# Altium PCB AJMG 2550XD Silver Jubilee.PcbDoc (part 2 of 2)
Units mm, origin at the board's own origin, x right, y up, seen from the top; angles counter-clockwise.
Board outline 350 x 150 mm, 2 copper layers (Top Layer, Bottom Layer), stack 1.97 mm thick; 150 components, 103 nets, 473 pads, 1195 vias.
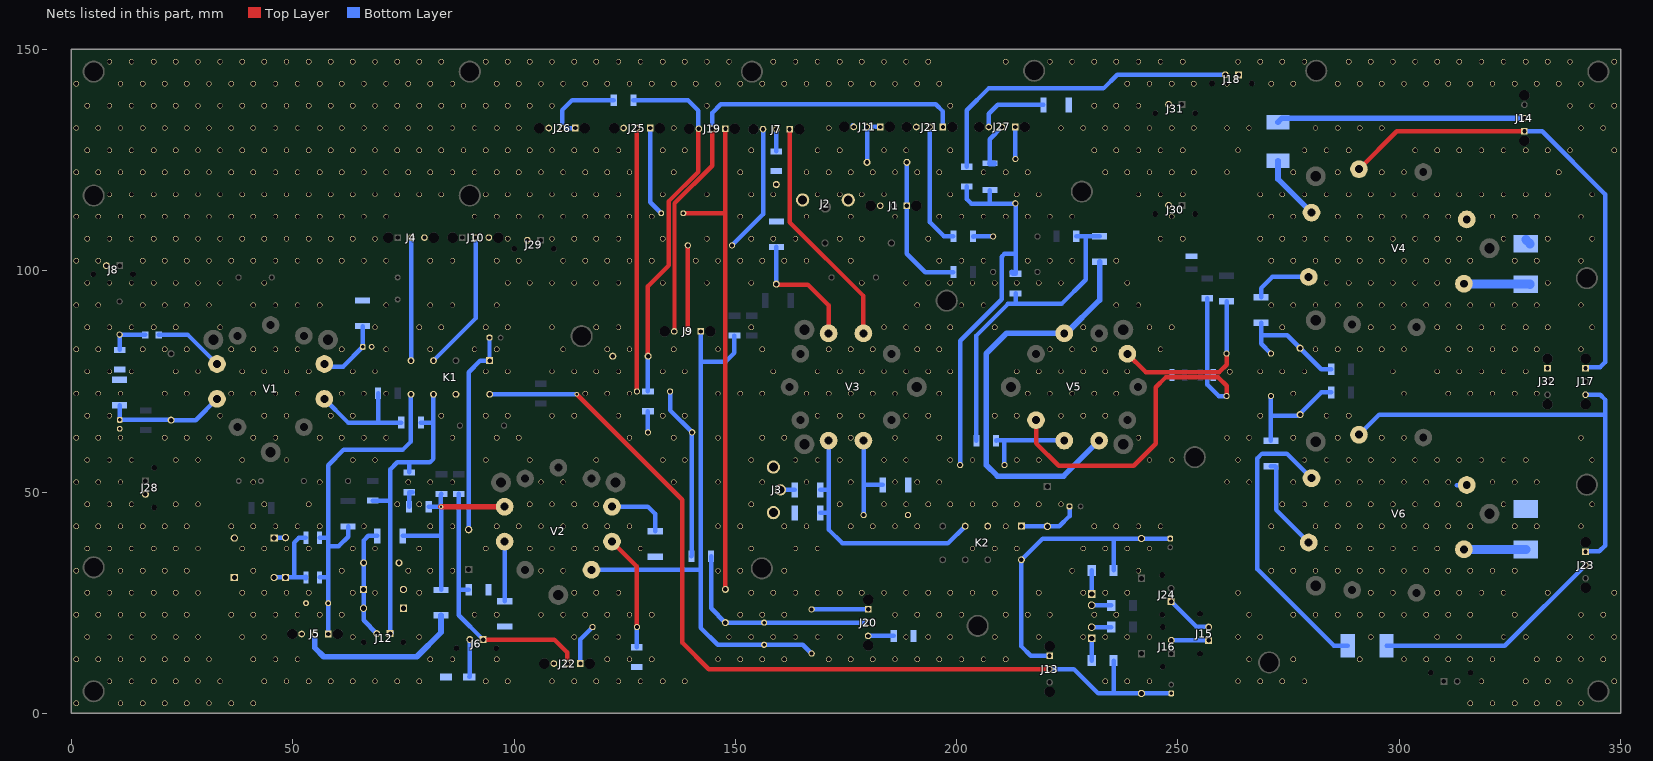
[diagram p2: the nets of this part, all layers, seen from the top]

## Via types
v1: diameter 1.2, hole 1, Top Layer to Bottom Layer, 1193 vias
v2: diameter 1.016, hole 0.508, Top Layer to Bottom Layer, 1 vias
v3: diameter 1, hole 0.6, Top Layer to Bottom Layer, 1 vias

## Nets (pads, with @x,y where several pads share a name; then routed paths per layer and width w, separated by ;. In a path a pad name is that pad's centre, name@x,y a point inside that pad or via, vN(x,y) a via of type N, cw(c..) or ccw(c..) an arc to the next point about the centre after c; other vN are vias at no path point) (continued)
NetC9_2: C9.2 R12.1 R19.2 | length 9.2
  Top Layer w1.016: C9.2@10.9,85.55 C9.2@10.917,85.533
  Bottom Layer w1.016: R19.2@10.9,82.125 C9.2@10.9,85.55 10.95,85.5 R12.1@16.675,85.5
NetC10_1: C10.1 C14.1 R24.2 V1.8 | length 27.3
  Bottom Layer w1.016: R24.2@10.9,69.625 C14.1@10.9,66.3 22.45,66.3 C10.1@22.5,66.25 28.064,66.25 V1.8@32.874,71.06
NetC11_1: C11.1 J11.1 J11.2 | length 11
  Bottom Layer w1.016: C11.1@179.75,124.5 J11.2@179.75,132.5 J11.1@182.75,132.5
NetC11_2: C11.2 J1.1 R5.1 | length 32.9
  Bottom Layer w1.016: J1.1@188.75,114.685 C11.2@188.75,124.5 ; J1.1@188.762,114.673 188.762,103.838 192.9,99.7 R5.1@199.275,99.7
  Bottom Layer w1.27: J1.1@188.75,114.685 J1.1@188.762,114.673
NetC12_1: C12.1 J7.3 | length 29.1
  Bottom Layer w1.016: C12.1@149.25,105.75 156.25,112.75 J7.3@156.25,132
NetC12_2: C12.2 J9.2 | length 19.5
  Top Layer w1.016: J9.2@139.2,86.3 139.225,86.325 139.225,105.725 C12.2@139.25,105.75
NetC13_2: C13.2 D1.1 D2.2 J5.1 K1.9 R7.2 | length 81.6
  Top Layer w1.016: C13.2@57.9,25.022 C13.2@58,24.922 ; C13.2@58,24.878 C13.2@58,24.9
  Bottom Layer w1.016: D2.2@56.05,30.7 57.892,30.7 57.992,30.6 ; D1.1@56.05,39.7 57.992,39.7 ; J5.1@58,17.935 C13.2@58,24.9 57.992,24.908 57.992,30.6 ; R7.2@62.5,42.225 62.5,39.9 60.4,37.8 57.992,37.8 ; K1.9@76.71,72.09 76.71,61.41 74.9,59.6 61.5,59.6 57.992,56.092 57.992,39.7 ; 57.992,30.6 57.992,37.8 ; 57.992,37.8 57.992,39.7
NetC15_1: C15.1 R25.2 V1.3 | length 15.4
  Bottom Layer w1.016: V1.3@57.126,78.94 57.697,78.369 61.369,78.369 C15.1@65.8,82.8 65.8,87.377 65.771,87.406 R25.2@65.8,87.435
NetC16_2: C16.2 D6.1 D7.2 J12.2 R16.1 | length 26.4
  Top Layer w1.016: D6.1@66,28 D6.1@66.317,28.317
  Bottom Layer w1.016: D6.1@66,28 C16.2@66,34 66,39.056 67.044,40.1 R16.1@69.125,40.1 ; D6.1@66.317,28 66,27.683 D7.2@66,23.75 66,21 J12.2@69,18
NetC17_1: C17.1 R27.2 V3.3 | length 28.5
  Top Layer w1.016: C17.1@159.25,97 159.362,96.888 166.362,96.888 171.06,92.19 V3.3@171.06,85.876
  Bottom Layer w1.016: C17.1@159.25,97 R27.2@159.25,105.375
NetC18_2: C18.2 R28.2 V3.8 | length 21.2
  Bottom Layer w1.016: V3.8@178.94,61.624 178.97,61.594 178.97,51.6 ; C18.2@179,44.8 178.97,44.83 178.97,51.6 ; R28.2@183.325,51.6 178.97,51.6
NetC19_1: C19.1 D8.2 J13.2 K1.16 R30.2 | length 208.3
  Top Layer w1.016: v3(114.2,72.1) 138,48.3 138,16 144,10 J13.2@221,10
  Bottom Layer w1.016: K1.16@94.49,72.09 114.19,72.09 v3(114.2,72.1) ; J13.2@221,10 226.5,10 232,4.5 235.45,4.5 ; R30.2@235.45,11.9 235.45,4.5 ; C19.1@248.5,4.5 D8.2@241.75,4.5 235.45,4.5
NetC20_1: C20.1 D9.2 K1.1 | length 46.6
  Top Layer w1.016: C20.1@94.381,84.969 C20.1@94.45,84.9
  Bottom Layer w1.016: D9.2@89.75,41.5 89.75,77.07 92.39,79.71 ; 92.49,79.71 K1.1@94.49,79.71 ; K1.1@94.45,79.71 C20.1@94.45,84.9
NetC21_1: C21.1 R35.2 V5.6 | length 39.9
  Top Layer w1.016: V5.6@238.565,81.244 242.693,77.116 259.316,77.116 261,78.8 C21.1@261,81.3
  Bottom Layer w1.016: V5.6@238.565,81.244 V5.6@239.304,81.244 ; C21.1@261,81.3 R35.2@261,93.125
NetC21_2: C21.2 C25.2 R31.1 R36.2 | length 26.8
  Bottom Layer w1.016: R31.1@268.8,88.225 268.8,85.4 ; C21.2@271,81.3 268.8,83.5 268.8,85.4 ; R36.2@284.625,77.75 282.35,77.75 C25.2@277.6,82.5 274.7,85.4 268.8,85.4
NetC22_2: C22.2 R38.2 | length 4.6
  Bottom Layer w1.016: R38.2@203.725,107.8 203.725,107.7 203.867,107.7 203.917,107.75 C22.2@208.25,107.75
NetC23_1: C23.1 C26.2 J9.1 R32.1 V2.1 | length 131.5
  Bottom Layer w1.016: V2.1@117.494,32.435 142.2,32.435 ; J9.1@142.2,86.3 142.2,79.5 ; R32.1@149.8,85.375 149.8,81.5 147.8,79.5 142.2,79.5 ; C26.2@167.25,13.5 165.25,15.5 146,15.5 142.2,19.3 142.2,32.435 ; 142.2,32.435 142.2,79.5
NetC23_2: C23.2 C24.1 J20.2 R39.2 | length 48.6
  Bottom Layer w1.016: R39.2@144.525,35.5 144.525,23.725 C24.1@147.75,20.5 C23.2@156.5,20.5 J20.2@180,20.5
NetC24_2: C24.2 C32.2 J19.1 | length 113.6
  Top Layer w1.016: C32.2@138.25,113 147.75,113 ; C24.2@147.75,28 147.75,113 ; J19.1@147.75,132.1 147.75,113
NetC25_1: C25.1 C31.2 R46.1 R50.1 | length 26
  Bottom Layer w1.016: R50.1@271,61.575 271,67.255 ; C31.2@271,71.7 271,67.255 ; R46.1@284.625,72.5 282.401,72.5 277.712,67.811 277.712,67.612 277.488,67.388 277.075,67.388 276.942,67.255 271,67.255
NetC26_1: C26.1 J20.1 | length 12.8
  Bottom Layer w1.016: C26.1@167.25,23.5 J20.1@180,23.5
NetC27_1: C27.1 D10.2 J13.1 K2.16 R42.2 | length 69.6
  Bottom Layer w1.016: J13.1@221,13 216.75,13 214.64,15.11 K2.16@214.64,34.69 219.45,39.5 235.45,39.5 ; R42.2@235.45,32.3 235.45,39.5 ; C27.1@248.25,39.5 D10.2@241.75,39.5 235.45,39.5
NetC28_1: C28.1 D11.2 K2.1 | length 14
  Top Layer w1.016: K2.1@214.64,42.31 K2.1@214.67,42.28 ; D11.2@220.47,42.28 D11.2@220.5,42.25
  Bottom Layer w1.016: K2.1@214.67,42.28 D11.2@220.47,42.28 ; D11.2@220.5,42.25 223.174,42.25 225.5,44.576 C28.1@225.5,46.75
NetC29_1: C29.1 J22.1 | length 9.4
  Bottom Layer w1.016: J22.1@114.994,11.25 114.994,16.744 C29.1@117.75,19.5
NetC29_2: C29.2 R52.2 V2.2 | length 26.2
  Top Layer w1.016: V2.2@122.126,38.81 127.75,33.186 C29.2@127.75,19.5
  Bottom Layer w1.016: R52.2@127.75,14.95 C29.2@127.75,19.5
NetC30_1: C30.1 C34.2 R39.1 | length 39.4
  Bottom Layer w1.016: C34.2@135.25,72.75 135.25,68.5 140.263,63.487 140.177,63.402 140.177,35.602 R39.1@140.075,35.5
NetC30_2: C30.2 R47.1 | length 4.8
  Top Layer w1.016: C30.2@130.237,63.488 C30.2@130.25,63.5
  Bottom Layer w1.016: C30.2@130.25,63.5 R47.1@130.25,68.275
NetC31_1: C31.1 R45.1 V5.1 | length 94.2
  Top Layer w1.016: V5.1@217.935,66.256 217.935,61.046 223.036,55.945 240.045,55.945 245,60.9 245,73.7 247.2,75.9 259.1,75.9 261,74 C31.1@261,71.7
  Bottom Layer w1.016: R45.1@256.6,93.775 256.6,74.3 259.2,71.7 C31.1@261,71.7
NetC32_1: C32.1 J25.1 | length 20.3
  Bottom Layer w1.016: J25.1@130.75,132.25 130.75,115.5 C32.1@133.25,113
NetC33_2: C33.2 J19.3 R47.2 R51.2 | length 83.9
  Top Layer w1.016: C33.2@130.3,80.7 130.25,80.75 130.25,96.5 135,101.25 135,115.75 141.657,122.407 141.657,132.007 J19.3@141.75,132.1
  Bottom Layer w1.016: R51.2@126.975,138.5 139.3,138.5 141.657,136.143 141.657,132.193 J19.3@141.75,132.1 ; R47.2@130.25,72.725 130.25,80.65 C33.2@130.3,80.7
NetC34_1: C34.1 J25.2 | length 59.5
  Top Layer w1.016: C34.1@127.75,72.75 J25.2@127.75,132.25
NetC35_1: C35.1 C36.1 R43.1 R55.1 R57.1 | length 88.8
  Top Layer w1.016: C35.1@200.8,56.1 C35.1@200.8,56.135 ; C36.1@213.25,115.25 C36.1@213.262,115.262
  Bottom Layer w1.016: C35.1@200.8,56.1 200.8,84.2 210.2,93.6 210.2,103.205 210.795,103.8 213.313,103.8 ; R55.1@202.3,119.075 202.3,116.2 203.3,115.2 207.5,115.2 ; R57.1@207.5,118.25 207.5,115.2 ; R43.1@212.483,99.751 212.483,99.517 212.675,99.325 R43.1@213.3,99.325 213.313,99.338 213.313,103.8 ; 207.5,115.2 213.2,115.2 C36.1@213.25,115.25 213.313,115.187 213.313,103.8
NetC35_2: C35.2 R49.1 V5.2 | length 21
  Top Layer w1.016: C35.2@210.8,56.1 C35.2@210.812,56.112 ; V5.2@224.272,61.662 V5.2@224.31,61.624
  Bottom Layer w1.016: R49.1@208.925,61.6 208.987,61.662 210.8,61.662 ; C35.2@210.8,56.1 210.8,61.662 ; V5.2@224.272,61.662 210.8,61.662
NetC36_2: C36.2 J27.1 | length 7.2
  Top Layer w1.016: J27.1@213.244,132.487 J27.1@213.247,132.485 ; C36.2@213.247,125.253 C36.2@213.25,125.25
  Bottom Layer w1.016: C36.2@213.247,125.253 J27.1@213.247,132.485
NetD1_2: D1.2 D2.1 D3.1 D4.2 | length 18.4
  Top Layer w1.016: D3.1@48.35,30.7 D3.1@48.54,30.89
  Bottom Layer w1.016: D4.2@45.8,30.7 D3.1@48.35,30.7 50.3,30.7 ; D2.1@52.95,30.7 50.3,30.7 ; D1.2@52.95,39.7 51.4,39.7 50.3,38.6 50.3,30.7
NetD3_2: D3.2 D5.1 | length 2.7
  Top Layer w1.016: D3.2@48.247,39.7 D3.2@48.35,39.7
  Bottom Layer w1.016: D5.1@45.8,39.6 45.9,39.7 D3.2@48.35,39.7
NetJ3_2: J3.2 R13.2 | length 3.2
  Bottom Layer w1.016: J3.2@160.2,50.5 R13.2@163.425,50.5
NetJ4_2: J4.2 K1.8 | length 27.8
  Bottom Layer w1.016: K1.8@76.71,79.71 76.73,79.73 76.73,107.48 J4.2@76.75,107.5
NetJ5_2: J5.2 R11.1 | length 38.6
  Bottom Layer w1.27: J5.2@55,17.935 55,14.8 57,12.8 78,12.8 83.5,18.3 R11.1@83.5,22.125
NetJ6_1: J6.1 J22.2 R8.1 R20.2 | length 60.2
  Top Layer w1.016: J6.1@93,16.685 109.065,16.685 111.994,13.756 J22.2@111.994,11.25
  Bottom Layer w1.016: R8.1@87.5,49.575 87.5,27.9 ; R20.2@89.775,27.9 87.5,27.9 ; J6.1@93,16.685 87.5,22.185 87.5,27.9
NetJ6_2: J6.2 R21.2 | length 8.5
  Bottom Layer w1.016: R21.2@89.875,8.25 89.938,8.313 89.938,16.623 J6.2@90,16.685
NetJ7_1: J7.1 V3.2 | length 53.7
  Top Layer w1.016: J7.1@162.25,132 162.25,111 178.94,94.31 V3.2@178.94,85.876
  Bottom Layer w1.016: V3.2@178.94,85.876 V3.2@178.94,86.545
NetJ7_2: J7.2 R26.2 | length 5
  Bottom Layer w1.016: R26.2@159.25,126.975 J7.2@159.25,132
NetJ9_3: J9.3 J19.2 J21.1 | length 110
  Top Layer w1.016: J9.3@136.2,86.3 136.25,86.35 136.25,115.25 144.75,123.75 J19.2@144.75,132.1
  Bottom Layer w1.016: J19.2@144.75,132.1 144.75,135.65 146.7,137.6 195.3,137.6 196.9,136 J21.1@196.9,132.485
NetJ10_2: J10.2 K1.6 | length 31.7
  Bottom Layer w1.016: K1.6@81.79,79.71 91.3,89.22 J10.2@91.3,107.5
NetJ12_1: J12.1 K1.11 R10.1 R17.2 R22.1 | length 72.1
  Top Layer w1.016: J12.1@72,18 J12.1@72.15,18.15
  Bottom Layer w1.016: R10.1@68.1,48.075 71.975,48.075 72,48.1 ; J12.1@72,18 72,48.1 ; R17.2@76.3,54.425 76.3,56.7 ; R22.1@78.95,65.7 81.79,65.7 ; K1.11@81.79,72.09 81.79,65.7 ; 72,48.1 72,55.1 73.6,56.7 76.3,56.7 ; 76.3,56.7 81,56.7 81.79,57.49 81.79,65.7
  Bottom Layer w1.27: J12.1@72,18 J12.1@72.25,18.25
NetJ14_1: J14.1 J17.1 V4.3 | length 107.4
  Top Layer w1.016: V4.3@290.902,122.954 299.447,131.5 J14.1@327.585,131.5 ; J17.1@341.985,78.115 J17.1@342.1,78
  Bottom Layer w1.016: J14.1@328.285,131.5 332.3,131.5 346.5,117.3 346.5,79.3 345.442,78.242 342.342,78.242 J17.1@342.1,78
NetJ14_2: J14.2 R33.1 | length 55.4
  Bottom Layer w1.27: R33.1@272.6,133.575 273.525,134.5 J14.2@327.585,134.5
NetJ15_1: J15.1 J16.2 | length 8.4
  Bottom Layer w1.016: J16.2@248.5,16.5 J15.1@256.935,16.5
NetJ15_2: J15.2 J24.1 | length 10.9
  Bottom Layer w1.016: J24.1@248.435,25.25 248.712,24.973 248.777,24.973 254.144,19.606 256.829,19.606 J15.2@256.935,19.5
NetJ17_3: J17.3 J23.1 V6.3 | length 100.7
  Top Layer w1.016: V6.3@290.802,62.854 V6.3@290.902,62.954 ; J23.1@341.985,36.615 J23.1@342.1,36.5 ; J17.3@342.056,71.956 J17.3@342.1,72
  Bottom Layer w1.016: V6.3@290.902,62.954 295.447,67.5 346.5,67.5 ; J23.1@342.1,36.5 342.215,36.615 345.215,36.615 346.5,37.9 346.5,67.5 ; J17.3@342.1,72 342.144,71.956 345.444,71.956 346.5,70.9 346.5,67.5
NetJ18_2: J18.2 R55.2 | length 74.5
  Bottom Layer w1.016: R55.2@202.3,123.525 202.3,136.3 207.2,141.2 233.175,141.2 236.26,144.285 J18.2@260.7,144.285
NetJ20_3: J20.3 R53.2 | length 5.8
  Bottom Layer w1.016: J20.3@180,17.5 R53.2@185.775,17.5
NetJ21_2: J21.2 R38.1 | length 28.2
  Bottom Layer w1.016: J21.2@193.9,132.485 193.9,111.005 197.051,107.854 199.083,107.854 199.137,107.8 R38.1@199.275,107.8
  Bottom Layer w1.27: J21.2@193.9,132.485 J21.2@193.902,132.487
NetJ23_2: J23.2 R48.2 | length 52.5
  Bottom Layer w1.016: R48.2@297.125,15.25 323.85,15.25 J23.2@342.1,33.5
NetJ26_1: J26.1 J26.2 R51.1 | length 19.6
  Bottom Layer w1.016: J26.1@113.85,132.25 J26.2@110.85,132.25 110.85,136.25 113.1,138.5 R51.1@122.525,138.5
NetJ27_2: J27.2 R57.2 | length 11.4
  Bottom Layer w1.016: R57.2@207.5,124.25 207.5,129.743 J27.2@210.244,132.487
  Bottom Layer w1.27: R57.2@207.5,124.25 208.53,124.25 R57.2@207.5,124.25
NetJ27_3: J27.3 R56.1 | length 16.2
  Bottom Layer w1.016: J27.3@207.244,132.487 207.244,135.444 209.3,137.5 R56.1@219.625,137.5
NetK2_6: K2.6 R13.1 R18.2 V3.7 | length 57.7
  Bottom Layer w1.016: R18.2@169.175,45.3 171.06,45.3 ; R13.1@169.175,50.5 171.06,50.5 ; V3.7@171.06,61.624 171.06,50.5 ; K2.6@201.94,42.31 198.03,38.4 174.2,38.4 171.06,41.54 171.06,45.3 ; 171.06,45.3 171.06,50.5
NetP1_1: P1.1 R30.1 | length 5.1
  Bottom Layer w1.016: P1.1@230.5,16.93 230.5,16.638 230.55,16.588 R30.1@230.55,11.9
NetP1_2: P1.2 R29.2 | length 4.5
  Bottom Layer w1.016: P1.2@230.5,19.47 230.515,19.485 234.935,19.485 R29.2@234.95,19.5
NetP2_1: P2.1 R42.1 | length 5.4
  Bottom Layer w1.016: P2.1@230.5,26.97 230.5,32.25 R42.1@230.55,32.3
NetP2_2: P2.2 R41.2 | length 4.5
  Bottom Layer w1.016: P2.2@230.5,24.43 230.515,24.415 234.935,24.415 R41.2@234.95,24.4
NetR9_2: R9.2 R11.2 R15.2 R16.2 V2.7 | length 47.5
  Top Layer w1.27: v2(83.5,46.7) 83.51,46.69 V2.7@97.874,46.69
  Bottom Layer w1.016: R16.2@74.875,40.1 83.5,40.1 ; R15.2@80.725,46.7 v2(83.5,46.7) 83.5,40.1 ; v2@83.475,46.725 83.475,49.383 83.6,49.508 R9.2@83.6,49.575 ; R11.2@83.5,27.875 83.5,40.1
  Bottom Layer w1.27: v2@83.475,46.725 v2(83.5,46.7)
NetR12_2: R12.2 V1.7 | length 15.9
  Top Layer w1.016: V1.7@32.844,78.97 V1.7@32.874,78.94
  Bottom Layer w1.016: R12.2@19.725,85.5 26.314,85.5 V1.7@32.874,78.94
NetR14_2: R14.2 R22.2 V1.2 | length 26.3
  Top Layer w1.016: V1.2@57.133,71.068 V1.2@57.126,71.06 V1.2@57.211,70.975
  Bottom Layer w1.016: V1.2@57.126,71.06 62.486,65.7 69.275,65.7 ; R14.2@69.275,72.3 69.275,65.7 ; R22.2@74.5,65.7 69.275,65.7
NetR15_1: R15.1 R17.1 | length 4.1
  Bottom Layer w1.016: R15.1@76.275,46.7 76.288,46.712 76.288,49.963 R17.1@76.3,49.975 77.084,49.975 R17.1@77.117,50.008
NetR23_2: R23.2 V2.8 | length 14.8
  Bottom Layer w1.016: R23.2@97.9,25.375 97.925,25.375 97.925,38.109 V2.8@98.25,38.434 ; V2.8@97.874,38.81 V2.8@98.25,38.434 ; V2.8@97.874,38.81 V2.8@98.25,38.434 ; V2.8@97.874,38.81 V2.8@98.25,38.434
NetR31_2: R31.2 V4.5 | length 13.9
  Bottom Layer w1.016: R31.2@268.8,93.975 268.8,96.1 271.302,98.602 V4.5@279.546,98.602
NetR33_2: R33.2 V4.4 | length 14.8
  Bottom Layer w1.27: R33.2@272.6,124.825 272.6,120.71 V4.4@280.18,113.13
NetR34_1: R34.1 R43.2 R44.1 R49.2 | length 71.2
  Bottom Layer w1.016: R49.2@204.475,61.6 204.475,85.375 211.6,92.5 213.3,92.5 ; R43.2@213.3,94.875 213.3,92.5 ; R34.1@227.025,107.8 229.2,107.8 ; R44.1@232.3,107.775 232.275,107.8 229.2,107.8 ; 213.3,92.5 223.7,92.5 229.2,98 229.2,107.8
NetR37_2: R37.2 V4.8 | length 15.1
  Top Layer w1.016: V4.8@314.55,97 V4.8@314.62,97.07
  Bottom Layer w2.032: V4.8@314.62,97.07 314.692,96.998 329.527,96.998 R37.2@329.577,96.948
NetR40_1: R40.1 V6.8 | length 14
  Bottom Layer w2.032: V6.8@314.62,37.07 314.642,37.048 328.577,37.048 R40.1@328.6,37.025
NetR44_2: R44.2 V5.3 V5.8 | length 94.4
  Bottom Layer w1.27: V5.3@232.19,61.624 224.166,53.6 209.2,53.6 206.7,56.1 206.7,81.3 211.276,85.876 V5.8@224.31,85.876 224.776,85.876 232.2,93.3 232.3,93.4 ; 232.3,93.3 R44.2@232.3,102.025
NetR48_1: R48.1 V6.4 | length 67.7
  Bottom Layer w1.016: V6.4@280.18,53.13 274.61,58.7 269,58.7 267.9,57.6 267.9,32.6 285.25,15.25 R48.1@288.375,15.25
NetR50_2: R50.2 V6.5 | length 21.3
  Bottom Layer w1.016: R50.2@271,55.825 271.975,55.825 272.192,55.608 272.192,45.955 V6.5@279.546,38.602
NetR54_2: R54.2 V2.3 | length 14.4
  Top Layer w1.016: V2.3@122.126,46.69 V2.3@122.156,46.72
  Bottom Layer w1.016: V2.3@122.126,46.69 130.256,46.69 131.9,45.046 R54.2@131.9,41.15
PI_GND: J30.2 J31.2 R56.2 R60.2
  other v1: 246.078,107.253 251.078,107.253 248.578,112.253 241.078,117.253 246.078,117.253 251.078,117.253 233.578,122.253 238.578,122.253 243.578,122.253 248.578,122.253 253.578,122.253 231.078,127.253 236.078,127.253 241.078,127.253 246.078,127.253 251.078,127.253 223.578,132.253 228.578,132.253 233.578,132.253 238.578,132.253 243.578,132.253 248.578,132.253 253.578,132.253 231.078,137.253 236.078,137.253 241.078,137.253 238.578,142.253 243.578,142.253 248.578,142.253 253.578,142.253 211.078,147.253 221.078,147.253 226.078,147.253 231.078,147.253 236.078,147.253 241.078,147.253 246.078,147.253 251.078,147.253
PRE_GND: C13.1 C14.2 C15.2 C16.1 C17.2 C18.1 C33.1 D4.1 D5.2 D6.2 D7.1 J1.3 J2.1A J2.1B J3.1A J3.1B J4.3 J5.3 J8.2 J10.3 J11.3 J21.3 J22.3 J25.3 J26.3 J28.2 J29.2 K1.13 K2.4 R18.1 R19.1 R20.1 R21.1 R23.1 R24.1 R25.1 R26.1 R27.1 R28.1 R52.1 R53.1 R54.1 R58.1 | length 1.9
  Bottom Layer w1.016: D4.1@36.8,30.7 D4.1@36.85,30.75 ; J26.3@107.85,132.25 J26.3@107.943,132.157 ; J3.1B@158.512,45.438 J3.1B@158.6,45.35 ; J3.1A@158.512,55.562 J3.1A@158.6,55.65 ; J11.3@176.5,132.881 176.75,132.631 J11.3@176.75,132.5
  Bottom Layer w2.032: J3.1A@158.119,55.465 158.415,55.465 J3.1A@158.512,55.562 ; J3.1B@158.25,45.438 J3.1B@158.512,45.438 ; J2.1B@165.2,116 J2.1B@165.2,116.262
  other v1: 1.078,2.253 11.078,2.253 16.078,2.253 21.078,2.253 26.078,2.253 31.078,2.253 36.078,2.253 41.078,2.253 8.578,7.253 13.578,7.253 18.578,7.253 23.578,7.253 28.578,7.253 33.578,7.253 43.578,7.253 48.578,7.253 53.578,7.253 58.578,7.253 63.578,7.253 68.578,7.253 73.578,7.253 78.578,7.253 93.578,7.253 98.578,7.253 108.578,7.253 113.578,7.253 118.578,7.253 123.578,7.253 128.578,7.253 133.578,7.253 138.578,7.253 233.578,7.253 238.578,7.253 243.578,7.253 1.078,12.253 6.078,12.253 11.078,12.253 16.078,12.253 21.078,12.253 26.078,12.253 31.078,12.253 41.078,12.253 46.078,12.253 51.078,12.253 81.078,12.253 86.078,12.253 96.078,12.253 121.078,12.253 126.078,12.253 131.078,12.253 146.078,12.253 151.078,12.253 156.078,12.253 161.078,12.253 171.078,12.253 176.078,12.253 181.078,12.253 186.078,12.253 191.078,12.253 196.078,12.253 201.078,12.253 206.078,12.253 211.078,12.253 3.578,17.253 8.578,17.253 13.578,17.253 18.578,17.253 23.578,17.253 28.578,17.253 38.578,17.253 43.578,17.253 63.578,17.253 78.578,17.253 113.578,17.253 118.578,17.253 123.578,17.253 148.578,17.253 153.578,17.253 158.578,17.253 163.578,17.253 168.578,17.253 173.578,17.253 188.578,17.253 193.578,17.253 198.578,17.253 208.578,17.253 218.578,17.253 228.578,17.253 233.578,17.253 238.578,17.253 243.578,17.253 1.078,22.253 6.078,22.253 11.078,22.253 16.078,22.253 21.078,22.253 26.078,22.253 36.078,22.253 41.078,22.253 46.078,22.253 51.078,22.253 56.078,22.253 61.078,22.253 91.078,22.253 96.078,22.253 106.078,22.253 111.078,22.253 116.078,22.253 121.078,22.253 126.078,22.253 131.078,22.253 151.078,22.253 156.078,22.253 161.078,22.253 186.078,22.253 191.078,22.253 196.078,22.253 201.078,22.253 211.078,22.253 216.078,22.253 221.078,22.253 231.078,22.253 236.078,22.253 3.578,27.253 8.578,27.253 13.578,27.253 18.578,27.253 23.578,27.253 28.578,27.253 38.578,27.253 43.578,27.253 48.578,27.253 53.578,27.253 63.578,27.253 68.578,27.253 78.578,27.253 113.578,27.253 118.578,27.253 123.578,27.253 153.578,27.253 158.578,27.253 163.578,27.253 168.578,27.253 173.578,27.253 178.578,27.253 183.578,27.253 188.578,27.253 193.578,27.253 198.578,27.253 203.578,27.253 208.578,27.253 218.578,27.253 228.578,27.253 233.578,27.253 238.578,27.253 1.078,32.253 11.078,32.253 16.078,32.253 21.078,32.253 26.078,32.253 41.078,32.253 61.078,32.253 76.078,32.253 81.078,32.253 86.078,32.253 106.078,32.253 111.078,32.253 146.078,32.253 151.078,32.253 161.078,32.253 226.078,32.253 241.078,32.253 3.578,37.253 8.578,37.253 13.578,37.253 18.578,37.253 23.578,37.253 28.578,37.253 38.578,37.253 43.578,37.253 48.578,37.253 53.578,37.253 63.578,37.253 68.578,37.253 78.578,37.253 93.578,37.253 103.578,37.253 108.578,37.253 113.578,37.253 118.578,37.253 128.578,37.253 153.578,37.253 163.578,37.253 168.578,37.253 203.578,37.253 208.578,37.253 213.578,37.253 228.578,37.253 233.578,37.253 238.578,37.253 243.578,37.253 1.078,42.253 6.078,42.253 11.078,42.253 16.078,42.253 21.078,42.253 26.078,42.253 36.078,42.253 41.078,42.253 46.078,42.253 51.078,42.253 56.078,42.253 66.078,42.253 81.078,42.253 86.078,42.253 96.078,42.253 101.078,42.253 106.078,42.253 111.078,42.253 116.078,42.253 121.078,42.253 126.078,42.253 146.078,42.253 151.078,42.253 161.078,42.253 166.078,42.253 176.078,42.253 181.078,42.253 186.078,42.253 191.078,42.253 211.078,42.253 231.078,42.253 236.078,42.253 241.078,42.253 246.078,42.253 3.578,47.253 8.578,47.253 13.578,47.253 23.578,47.253 28.578,47.253 43.578,47.253 53.578,47.253 73.578,47.253 78.578,47.253 103.578,47.253 108.578,47.253 113.578,47.253 118.578,47.253 153.578,47.253 173.578,47.253 183.578,47.253 188.578,47.253 193.578,47.253 198.578,47.253 203.578,47.253 208.578,47.253 213.578,47.253 218.578,47.253 223.578,47.253 1.078,52.253 6.078,52.253 11.078,52.253 41.078,52.253 56.078,52.253 76.078,52.253 81.078,52.253 86.078,52.253 106.078,52.253 111.078,52.253 136.078,52.253 146.078,52.253 156.078,52.253 166.078,52.253 176.078,52.253 186.078,52.253 191.078,52.253 196.078,52.253 3.578,57.253 8.578,57.253 13.578,57.253 23.578,57.253 28.578,57.253 38.578,57.253 48.578,57.253 63.578,57.253 68.578,57.253 93.578,57.253 103.578,57.253 118.578,57.253 133.578,57.253 138.578,57.253 153.578,57.253 163.578,57.253 168.578,57.253 173.578,57.253 183.578,57.253 188.578,57.253 198.578,57.253 203.578,57.253 213.578,57.253 218.578,57.253 243.578,57.253 248.578,57.253 1.078,62.253 6.078,62.253 11.078,62.253 21.078,62.253 26.078,62.253 31.078,62.253 41.078,62.253 46.078,62.253 56.078,62.253 61.078,62.253 66.078,62.253 71.078,62.253 86.078,62.253 96.078,62.253 101.078,62.253 126.078,62.253 136.078,62.253 146.078,62.253 156.078,62.253 161.078,62.253 176.078,62.253 186.078,62.253 196.078,62.253 241.078,62.253 3.578,67.253 8.578,67.253 33.578,67.253 43.578,67.253 48.578,67.253 58.578,67.253 63.578,67.253 83.578,67.253 93.578,67.253 98.578,67.253 108.578,67.253 113.578,67.253 123.578,67.253 133.578,67.253 138.578,67.253 168.578,67.253 173.578,67.253 178.578,67.253 188.578,67.253 193.578,67.253 208.578,67.253 213.578,67.253 223.578,67.253 228.578,67.253 233.578,67.253 1.078,72.253 6.078,72.253 11.078,72.253 21.078,72.253 26.078,72.253 36.078,72.253 41.078,72.253 46.078,72.253 51.078,72.253 61.078,72.253 66.078,72.253 71.078,72.253 116.078,72.253 121.078,72.253 126.078,72.253 146.078,72.253 151.078,72.253 156.078,72.253 166.078,72.253 171.078,72.253 176.078,72.253 181.078,72.253 186.078,72.253 196.078,72.253 216.078,72.253 221.078,72.253 226.078,72.253 231.078,72.253 236.078,72.253 3.578,77.253 8.578,77.253 13.578,77.253 23.578,77.253 28.578,77.253 38.578,77.253 43.578,77.253 48.578,77.253 53.578,77.253 63.578,77.253 68.578,77.253 93.578,77.253 98.578,77.253 108.578,77.253 113.578,77.253 118.578,77.253 123.578,77.253 133.578,77.253 138.578,77.253 158.578,77.253 168.578,77.253 173.578,77.253 178.578,77.253 183.578,77.253 188.578,77.253 193.578,77.253 198.578,77.253 213.578,77.253 218.578,77.253 223.578,77.253 228.578,77.253 233.578,77.253 238.578,77.253 1.078,82.253 6.078,82.253 16.078,82.253 21.078,82.253 26.078,82.253 36.078,82.253 41.078,82.253 46.078,82.253 51.078,82.253 61.078,82.253 71.078,82.253 81.078,82.253 91.078,82.253 96.078,82.253 111.078,82.253 121.078,82.253 126.078,82.253 136.078,82.253 146.078,82.253 156.078,82.253 171.078,82.253 176.078,82.253 181.078,82.253 191.078,82.253 196.078,82.253 221.078,82.253 226.078,82.253 231.078,82.253 246.078,82.253 3.578,87.253 8.578,87.253 13.578,87.253 18.578,87.253 23.578,87.253 33.578,87.253 68.578,87.253 78.578,87.253 83.578,87.253 93.578,87.253 98.578,87.253 108.578,87.253 118.578,87.253 123.578,87.253 153.578,87.253 183.578,87.253 188.578,87.253 193.578,87.253 198.578,87.253 208.578,87.253 228.578,87.253 243.578,87.253 248.578,87.253 1.078,92.253 6.078,92.253 16.078,92.253 21.078,92.253 26.078,92.253 31.078,92.253 41.078,92.253 46.078,92.253 51.078,92.253 56.078,92.253 71.078,92.253 81.078,92.253 86.078,92.253 96.078,92.253 191.078,92.253 201.078,92.253 206.078,92.253 236.078,92.253 241.078,92.253 3.578,97.253 8.578,97.253 13.578,97.253 18.578,97.253 23.578,97.253 28.578,97.253 33.578,97.253 43.578,97.253 98.578,97.253 103.578,97.253 108.578,97.253 113.578,97.253 118.578,97.253 123.578,97.253 133.578,97.253 143.578,97.253 153.578,97.253 178.578,97.253 188.578,97.253 193.578,97.253 198.578,97.253 203.578,97.253 208.578,97.253 213.578,97.253 218.578,97.253 223.578,97.253 238.578,97.253 1.078,102.253 6.078,102.253 16.078,102.253 21.078,102.253 26.078,102.253 31.078,102.253 36.078,102.253 41.078,102.253 46.078,102.253 51.078,102.253 56.078,102.253 61.078,102.253 66.078,102.253 71.078,102.253 81.078,102.253 86.078,102.253 96.078,102.253 101.078,102.253 111.078,102.253 116.078,102.253 121.078,102.253 126.078,102.253 131.078,102.253 141.078,102.253 146.078,102.253 151.078,102.253 156.078,102.253 161.078,102.253 166.078,102.253 176.078,102.253 196.078,102.253 201.078,102.253 206.078,102.253 216.078,102.253 221.078,102.253 226.078,102.253 236.078,102.253 3.578,107.253 8.578,107.253 13.578,107.253 18.578,107.253 23.578,107.253 28.578,107.253 33.578,107.253 38.578,107.253 43.578,107.253 48.578,107.253 53.578,107.253 58.578,107.253 63.578,107.253 68.578,107.253 98.578,107.253 108.578,107.253 113.578,107.253 118.578,107.253 123.578,107.253 133.578,107.253 143.578,107.253 153.578,107.253 158.578,107.253 163.578,107.253 173.578,107.253 178.578,107.253 193.578,107.253 1.078,112.253 6.078,112.253 11.078,112.253 16.078,112.253 21.078,112.253 26.078,112.253 31.078,112.253 36.078,112.253 41.078,112.253 46.078,112.253 51.078,112.253 56.078,112.253 61.078,112.253 66.078,112.253 71.078,112.253 91.078,112.253 96.078,112.253 101.078,112.253 106.078,112.253 111.078,112.253 116.078,112.253 121.078,112.253 126.078,112.253 131.078,112.253 151.078,112.253 166.078,112.253 176.078,112.253 186.078,112.253 196.078,112.253 201.078,112.253 206.078,112.253 211.078,112.253 216.078,112.253 221.078,112.253 226.078,112.253 8.578,117.253 13.578,117.253 18.578,117.253 23.578,117.253 28.578,117.253 33.578,117.253 38.578,117.253 43.578,117.253 48.578,117.253 53.578,117.253 58.578,117.253 63.578,117.253 68.578,117.253 73.578,117.253 78.578,117.253 83.578,117.253 93.578,117.253 98.578,117.253 103.578,117.253 108.578,117.253 113.578,117.253 118.578,117.253 123.578,117.253 133.578,117.253 143.578,117.253 153.578,117.253 158.578,117.253 168.578,117.253 173.578,117.253 178.578,117.253 183.578,117.253 198.578,117.253 213.578,117.253 218.578,117.253 1.078,122.253 6.078,122.253 11.078,122.253 16.078,122.253 21.078,122.253 26.078,122.253 31.078,122.253 36.078,122.253 41.078,122.253 46.078,122.253 51.078,122.253 56.078,122.253 61.078,122.253 66.078,122.253 71.078,122.253 76.078,122.253 81.078,122.253 86.078,122.253 91.078,122.253 96.078,122.253 101.078,122.253 106.078,122.253 111.078,122.253 116.078,122.253 121.078,122.253 126.078,122.253 136.078,122.253 151.078,122.253 166.078,122.253 171.078,122.253 176.078,122.253 181.078,122.253 186.078,122.253 191.078,122.253 196.078,122.253 206.078,122.253 211.078,122.253 216.078,122.253 3.578,127.253 8.578,127.253 13.578,127.253 18.578,127.253 23.578,127.253 28.578,127.253 33.578,127.253 38.578,127.253 43.578,127.253 48.578,127.253 53.578,127.253 58.578,127.253 63.578,127.253 68.578,127.253 73.578,127.253 78.578,127.253 83.578,127.253 88.578,127.253 93.578,127.253 98.578,127.253 103.578,127.253 108.578,127.253 113.578,127.253 118.578,127.253 123.578,127.253 133.578,127.253 138.578,127.253 153.578,127.253 168.578,127.253 173.578,127.253 183.578,127.253 188.578,127.253 198.578,127.253 1.078,132.253 6.078,132.253 11.078,132.253 16.078,132.253 21.078,132.253 26.078,132.253 31.078,132.253 36.078,132.253 41.078,132.253 46.078,132.253 51.078,132.253 56.078,132.253 61.078,132.253 66.078,132.253 71.078,132.253 76.078,132.253 81.078,132.253 86.078,132.253 91.078,132.253 96.078,132.253 101.078,132.253 136.078,132.253 171.078,132.253 3.578,137.253 8.578,137.253 13.578,137.253 18.578,137.253 23.578,137.253 28.578,137.253 33.578,137.253 38.578,137.253 43.578,137.253 48.578,137.253 53.578,137.253 58.578,137.253 63.578,137.253 68.578,137.253 73.578,137.253 78.578,137.253 83.578,137.253 88.578,137.253 93.578,137.253 98.578,137.253 103.578,137.253 108.578,137.253 143.578,137.253 198.578,137.253 1.078,142.253 11.078,142.253 16.078,142.253 21.078,142.253 26.078,142.253 31.078,142.253 36.078,142.253 41.078,142.253 46.078,142.253 51.078,142.253 56.078,142.253 61.078,142.253 66.078,142.253 71.078,142.253 76.078,142.253 81.078,142.253 86.078,142.253 96.078,142.253 101.078,142.253 106.078,142.253 111.078,142.253 116.078,142.253 121.078,142.253 126.078,142.253 131.078,142.253 136.078,142.253 141.078,142.253 146.078,142.253 151.078,142.253 156.078,142.253 161.078,142.253 166.078,142.253 171.078,142.253 176.078,142.253 181.078,142.253 186.078,142.253 191.078,142.253 196.078,142.253 8.578,147.253 13.578,147.253 18.578,147.253 23.578,147.253 28.578,147.253 33.578,147.253 38.578,147.253 43.578,147.253 48.578,147.253 53.578,147.253 58.578,147.253 63.578,147.253 68.578,147.253 73.578,147.253 78.578,147.253 83.578,147.253 93.578,147.253 98.578,147.253 103.578,147.253 108.578,147.253 113.578,147.253 118.578,147.253 123.578,147.253 128.578,147.253 133.578,147.253 138.578,147.253 143.578,147.253 148.578,147.253 158.578,147.253 163.578,147.253 168.578,147.253 173.578,147.253 178.578,147.253 183.578,147.253 188.578,147.253 193.578,147.253
PWR_GND: J18.1 J32.1 R37.1 R40.2 R59.2 V4.1 V6.1 | length 3.7
  Bottom Layer w1.016: 312.998,51.498 315.154,51.498 V6.1@315.254,51.598
  Bottom Layer w2.032: R37.1@328.616,107.059 R37.1@329.6,106.075
  other v1: 316.078,2.253 321.078,2.253 326.078,2.253 331.078,2.253 336.078,2.253 341.078,2.253 263.578,7.253 268.578,7.253 273.578,7.253 278.578,7.253 318.578,7.253 328.578,7.253 333.578,7.253 338.578,7.253 348.578,7.253 266.078,12.253 276.078,12.253 291.078,12.253 301.078,12.253 306.078,12.253 311.078,12.253 316.078,12.253 321.078,12.253 331.078,12.253 336.078,12.253 341.078,12.253 346.078,12.253 263.578,17.253 268.578,17.253 293.578,17.253 308.578,17.253 313.578,17.253 323.578,17.253 328.578,17.253 338.578,17.253 343.578,17.253 348.578,17.253 266.078,22.253 276.078,22.253 281.078,22.253 286.078,22.253 291.078,22.253 296.078,22.253 301.078,22.253 306.078,22.253 311.078,22.253 316.078,22.253 326.078,22.253 341.078,22.253 346.078,22.253 263.578,27.253 293.578,27.253 298.578,27.253 308.578,27.253 313.578,27.253 318.578,27.253 323.578,27.253 333.578,27.253 348.578,27.253 271.078,32.253 276.078,32.253 281.078,32.253 286.078,32.253 291.078,32.253 296.078,32.253 301.078,32.253 306.078,32.253 311.078,32.253 316.078,32.253 321.078,32.253 326.078,32.253 273.578,37.253 283.578,37.253 288.578,37.253 293.578,37.253 298.578,37.253 303.578,37.253 308.578,37.253 271.078,42.253 281.078,42.253 286.078,42.253 291.078,42.253 296.078,42.253 301.078,42.253 306.078,42.253 311.078,42.253 316.078,42.253 326.078,42.253 331.078,42.253 341.078,42.253 273.578,47.253 278.578,47.253 283.578,47.253 288.578,47.253 293.578,47.253 298.578,47.253 303.578,47.253 308.578,47.253 313.578,47.253 323.578,47.253 343.578,47.253 261.078,52.253 266.078,52.253 276.078,52.253 286.078,52.253 291.078,52.253 296.078,52.253 301.078,52.253 306.078,52.253 311.078,52.253 321.078,52.253 326.078,52.253 331.078,52.253 263.578,57.253 278.578,57.253 283.578,57.253 288.578,57.253 293.578,57.253 298.578,57.253 303.578,57.253 308.578,57.253 313.578,57.253 318.578,57.253 323.578,57.253 328.578,57.253 343.578,57.253 261.078,62.253 266.078,62.253 276.078,62.253 286.078,62.253 296.078,62.253 301.078,62.253 341.078,62.253 268.578,67.253 283.578,67.253 288.578,67.253 276.078,72.253 301.078,72.253 311.078,72.253 316.078,72.253 321.078,72.253 326.078,72.253 331.078,72.253 261.7,77.2 268.578,77.253 273.578,77.253 278.578,77.253 298.578,77.253 308.578,77.253 313.578,77.253 318.578,77.253 323.578,77.253 328.578,77.253 281.078,82.253 286.078,82.253 291.078,82.253 296.078,82.253 301.078,82.253 311.078,82.253 316.078,82.253 321.078,82.253 326.078,82.253 331.078,82.253 341.078,82.253 273.578,87.253 293.578,87.253 298.578,87.253 308.578,87.253 313.578,87.253 318.578,87.253 323.578,87.253 328.578,87.253 333.578,87.253 343.578,87.253 271.078,92.253 276.078,92.253 281.078,92.253 286.078,92.253 291.078,92.253 296.078,92.253 301.078,92.253 306.078,92.253 311.078,92.253 316.078,92.253 321.078,92.253 326.078,92.253 331.078,92.253 341.078,92.253 283.578,97.253 288.578,97.253 293.578,97.253 298.578,97.253 303.578,97.253 308.578,97.253 333.578,97.253 271.078,102.253 276.078,102.253 281.078,102.253 286.078,102.253 291.078,102.253 296.078,102.253 301.078,102.253 306.078,102.253 311.078,102.253 316.078,102.253 326.078,102.253 331.078,102.253 341.078,102.253 268.578,107.253 273.578,107.253 278.578,107.253 283.578,107.253 288.578,107.253 293.578,107.253 298.578,107.253 303.578,107.253 308.578,107.253 313.578,107.253 323.578,107.253 333.578,107.253 343.578,107.253 271.078,112.253 276.078,112.253 286.078,112.253 291.078,112.253 296.078,112.253 301.078,112.253 306.078,112.253 311.078,112.253 321.078,112.253 326.078,112.253 331.078,112.253 341.078,112.253 268.578,117.253 273.578,117.253 278.578,117.253 283.578,117.253 288.578,117.253 293.578,117.253 298.578,117.253 303.578,117.253 308.578,117.253 313.578,117.253 318.578,117.253 323.578,117.253 328.578,117.253 333.578,117.253 343.578,117.253 261.078,122.253 276.078,122.253 286.078,122.253 296.078,122.253 301.078,122.253 336.078,122.253 263.578,127.253 278.578,127.253 283.578,127.253 288.578,127.253 303.578,127.253 308.578,127.253 313.578,127.253 318.578,127.253 323.578,127.253 328.578,127.253 333.578,127.253 338.578,127.253 348.578,127.253 261.078,132.253 266.078,132.253 281.078,132.253 286.078,132.253 291.078,132.253 296.078,132.253 341.078,132.253 346.078,132.253 338.578,137.253 343.578,137.253 348.578,137.253 261.078,142.253 271.078,142.253 276.078,142.253 286.078,142.253 291.078,142.253 296.078,142.253 301.078,142.253 306.078,142.253 311.078,142.253 316.078,142.253 321.078,142.253 326.078,142.253 331.078,142.253 336.078,142.253 341.078,142.253 263.578,147.253 268.578,147.253 273.578,147.253 278.578,147.253 288.578,147.253 293.578,147.253 298.578,147.253 303.578,147.253 308.578,147.253 313.578,147.253 318.578,147.253 323.578,147.253 328.578,147.253 333.578,147.253 338.578,147.253 348.578,147.253
pads on no net: J1. J4. J5. J6. J7. J8. J9. J10. J11. J12. J13. J14. J15. J16. J17. J18. J19. J20. J21. J22. J23. J24. J25. J26. J27. J28. J29. J30. J31. J32. J33. K2.8 K2.9 K2.11 K2.13 V1.M1 V1.M2 V1.M3 V2.M1 V2.M2 V2.M3 V3.M1 V3.M2 V3.M3 V4.6 V4.M1 V4.M2 V4.M3 V5.M1 V5.M2 V5.M3 V6.6 V6.M1 V6.M2 V6.M3

## Polygon pours and split planes (outlines as drawn)
PI_GND on Bottom Layer "PI_GND_L02_P002" (solid, pour order 2): 204.209,150 255.3,150 255.3,102.5 249.5,102.5
PRE_GND on Bottom Layer "PRE_GND_L02_P001" (solid, pour order 1): 0,150 0,0 217.1,0 249.4,0 249.4,89.19 192,150
PWR_GND on Bottom Layer "PWR_GND_L02_P003" (solid, pour order 3): 257.2,0 267.65,0 350.1,0 350,150 257.2,150
GND on Bottom Layer "GND_L02_P007" (solid, pour order 7): 250.8,100.1 255.8,100.1 255.8,70.5 250.8,70.5
GND on Top Layer "GND_L01_P008" (solid, pour order 8): 250.8,101.1 255.8,101.1 255.8,70.5 250.8,70.5
PRE_GND on Top Layer "PRE_GND_L01_P006" (solid, pour order 6): 217.1,0 249.4,0 249.4,89.19 192,150 0,150 0,0
PWR_GND on Top Layer "PWR_GND_L01_P005" (solid, pour order 5): 350,0 257.2,0 257.2,150 350,150
PI_GND on Top Layer "PI_GND_L01_P004" (solid, pour order 4): 204.156,150 249.465,102.5 255.3,102.5 255.3,150

## Silkscreen, mask and mechanical layers (free items; w line width, h text height)
Top Overlay:
  text "neg feedback" at 256.535,140.067 h1
  text "3/5 sw A" at 324.2,138.332 h1 r270
  text "2550XD" at 34.409,135.338 h7
  text "AJMG" at 60.647,134.909 h1 r90
  text "B+1" at 248.234,133.5 h1
  text "presence" at 206.468,128.733 h1
  text "reverb tone" at 174.488,128.403 h1
  text "master volume" at 188.835,128.4 h1
  text "bass 2" at 107.918,128 h1
  text "mid" at 126.5,128 h1
  text "treble" at 141.834,128 h1
  text "dwell" at 157.167,128 h1
  text "Silver Jubilee" at 19.867,120.427 h12
  text "lead gain" at 95.465,111.733 h1 r180
  text "clean gain" at 81.365,111.633 h1 r180
  text "B+2" at 248.067,110.7 h1
  text "reverb level" at 180.168,110.5 h1
  text "B+3" at 103.167,102.8 h1
  text "input" at 7.317,97.167 h1
  text "reverb in" at 135.001,89.5 h1
  text "B+0 / bias" at 337.6,70.252 h1 r90
  text "transformer in" at 346.2,68.419 h1 r90
  text "B+4" at 21,49.367 h1 r90
  text "reverb sw" at 244.5,31.332 h1 r270
  text "3/5 sw B" at 346.2,29.568 h1 r90
  text "FS switch" at 252.75,22.165 h1 r270
  text "relay sw" at 244.417,18.749 h1 r270
  text "bass 1" at 184.25,17.834 h1 r90
  text "clipping switch" at 63.586,13.867 h1
  text "lead volume" at 49.835,13.8 h1
  text "FX out" at 89.084,12.5 h1
  text "H1&H2" at 313.835,11.32 h1 r180
  text "FS in" at 225.3,7.751 h1 r90
  text "FX in" at 109.751,7 h1

## Text inside footprints (layer, text, board x,y; h text height)
C14: Top Overlay "+" at 11.4,68.35 h1 r90
C15: Top Overlay "+" at 63.75,83.3 h1 r180
C19: Top Overlay "+" at 248,2.45 h1 r270
C20: Top Overlay "+" at 92,85.4 h1 r180
C27: Top Overlay "+" at 248.75,41.55 h1 r90
C28: Top Overlay "+" at 223.05,47.25 h1 r180